# KiCad board Sofle_Pico.kicad_pcb (continued)
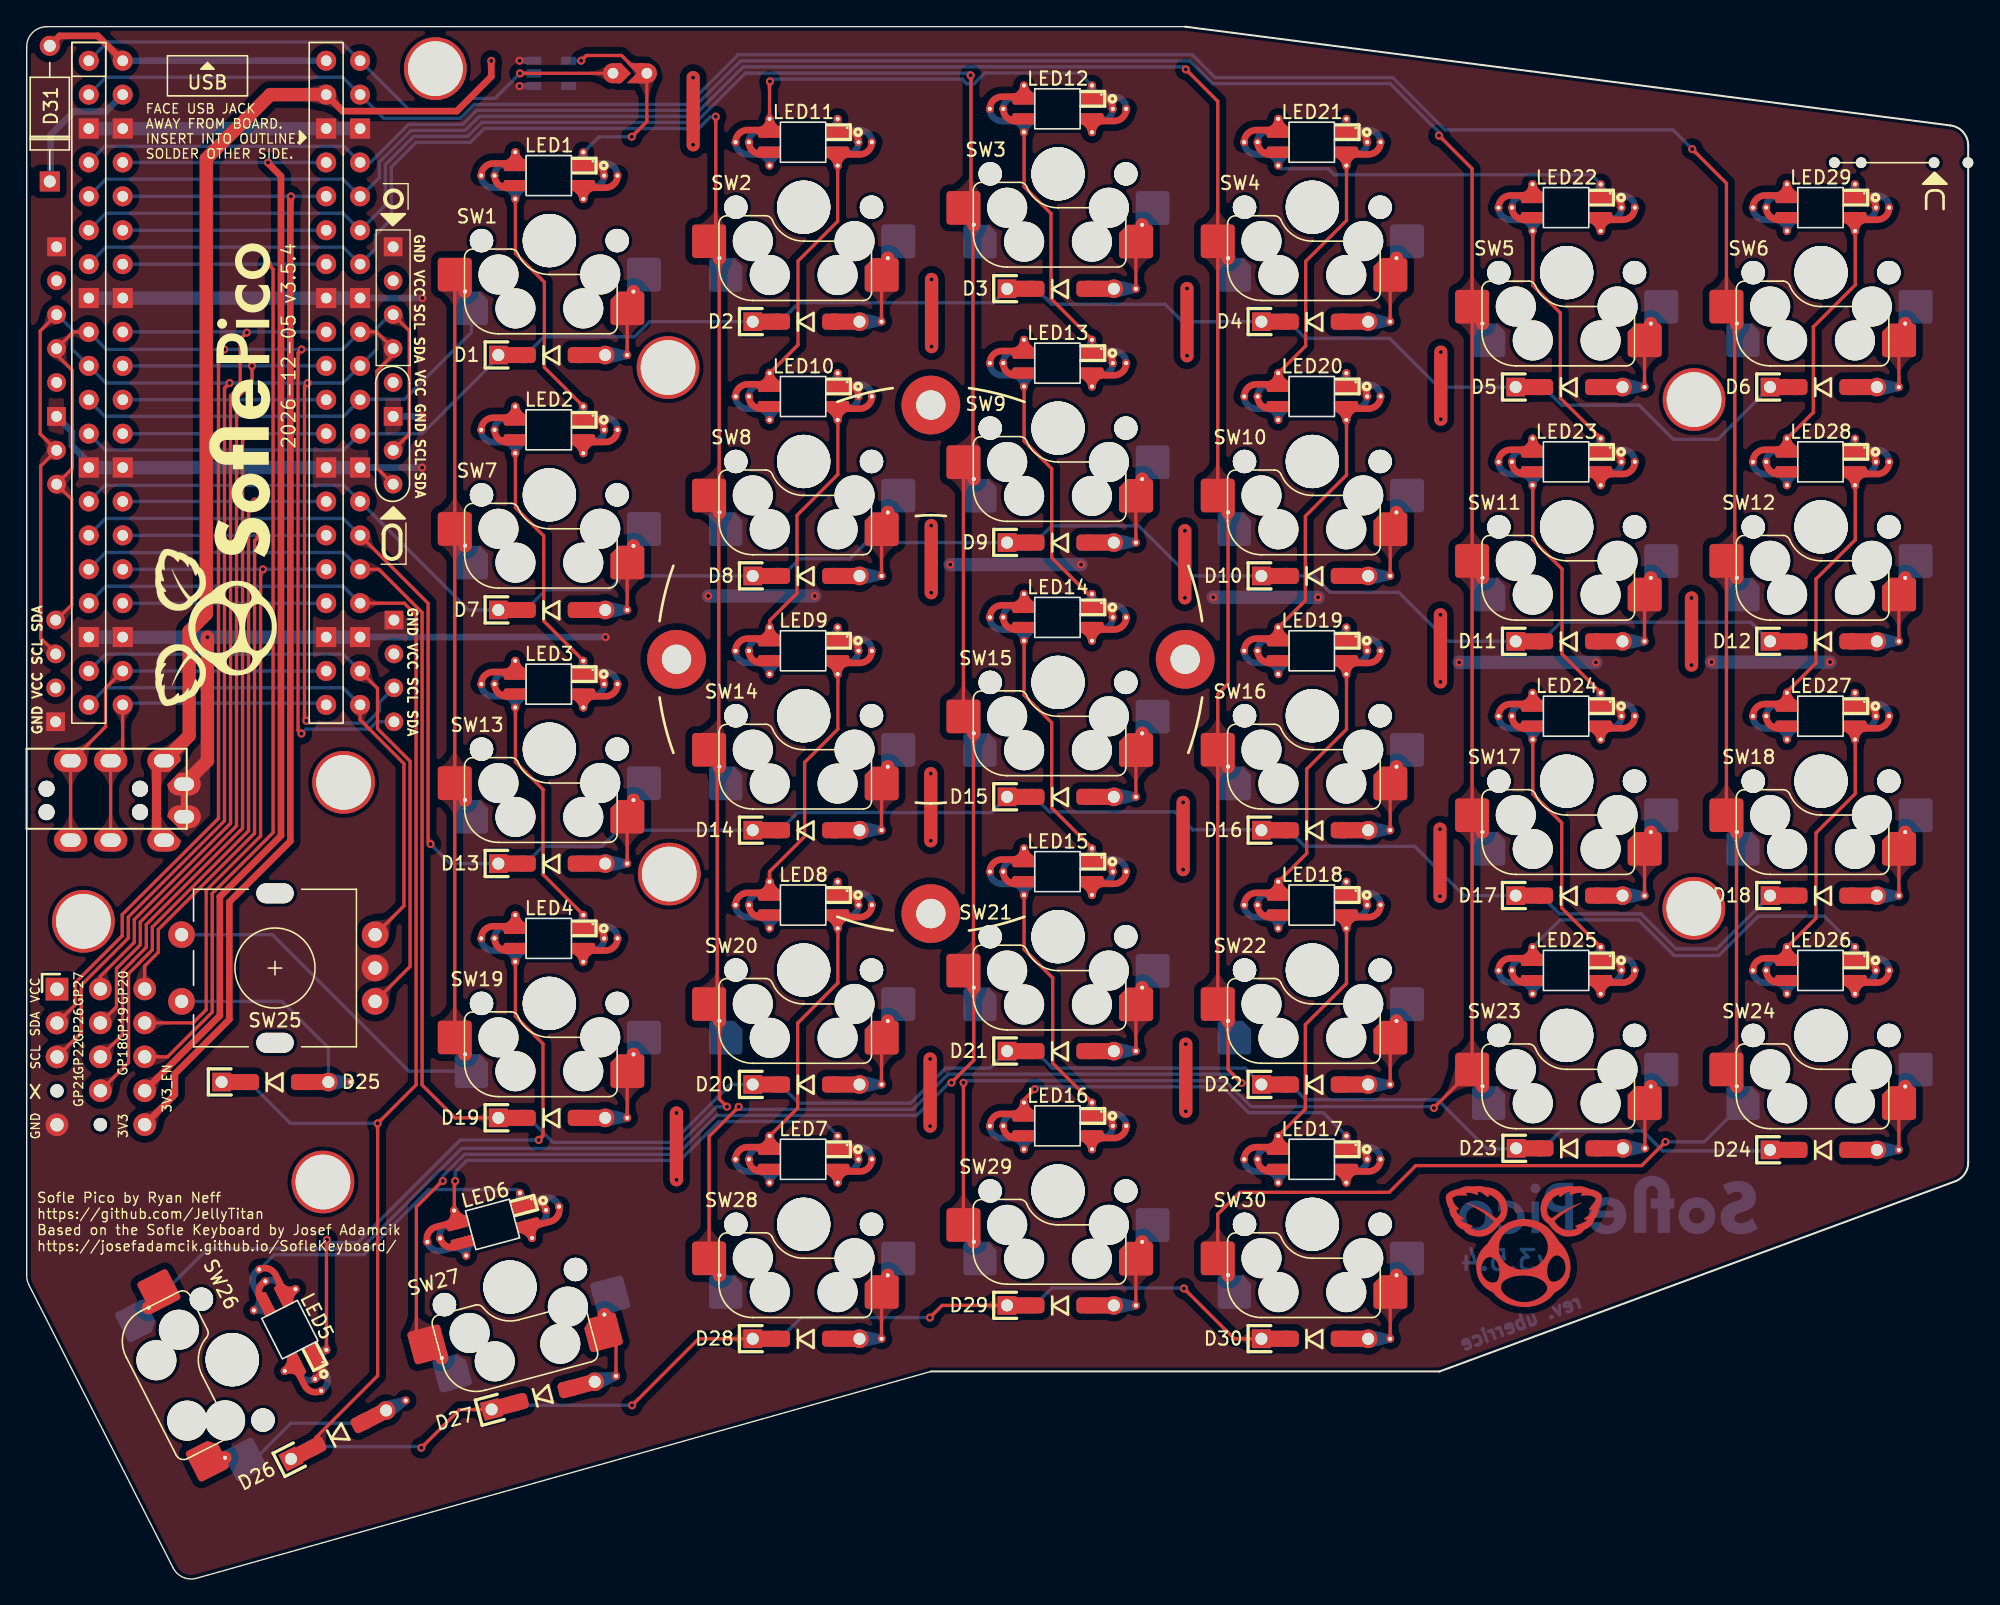
[diagram p0: board, top side]
## Footprints (pads in the part's own frame, mm; a bottom-side part is the same pattern mirrored in y, then rotated) (continued)
OLED SSD1306 128x64
  round 1.397 hole 0.813: 1(3.82,12.635) 1(3.82,-12.575) 1(13.98,12.635) 1(13.98,-12.575) 2(1.28,12.635) 2(1.28,-12.575) 2(11.44,12.635) 2(11.44,-12.575) 3(-1.26,12.635) 3(-1.26,-12.575) 3(6.36,12.635) 3(6.36,-12.575)
  rect 1.397x1.397 hole 0.813: 4(-3.8,12.635) 4(-3.8,-12.575) 4(8.9,12.635) 4(8.9,-12.575)
Pimaroni_PinHeader_1x05_P2.54mm_Vertical Sofle v3b
  round 1 hole 1 unplated: (0,-7.62)
  rect 1.7x1.7 hole 1: 1(0,0)
  oval 1.7x1.7 hole 1: 2(0,-2.54) 3(0,-5.08) 5(0,-10.16)
PinHeader_1x05_P2.54mm_Vertical
  round 1.7 hole 1: 1(0,0)
  oval 1.7x1.7 hole 1: 2(0,-2.54) 3(0,-5.08) 4(0,-7.62) 5(0,-10.16)
PinHeader_1x05_P2.54mm_Vertical_one-dead
  round 1 hole 1 unplated: (0,-10.16)
  round 1.7 hole 1: 1(0,0)
  oval 1.7x1.7 hole 1: 2(0,-2.54) 3(0,-5.08) 4(0,-7.62)
RotaryEncoder_Alps_EC11E-Switch_Vertical_H20mm-keebio_modified
  oval 2.8x1.5 hole 2.8x1.5 unplated: (0,5.6) (0,-5.6)
  round 2 hole 1: A(-7.5,2.5) B(-7.5,-2.5) C(-7.5,0) S1(7,-2.5) S2(7,2.5)
RPi_Pico_SMD_TH_DS
  round 1.5 hole 0.8: 1(-10.16,24.13) 1(10.16,24.13) 2(-10.16,21.59) 2(10.16,21.59) 4(-10.16,16.51) 4(10.16,16.51) 5(-10.16,13.97) 5(10.16,13.97) 6(-10.16,11.43) 6(10.16,11.43) 7(-10.16,8.89) 7(10.16,8.89) 9(-10.16,3.81) 9(10.16,3.81) 10(-10.16,1.27) 10(10.16,1.27) 11(-10.16,-1.27) 11(10.16,-1.27) 12(-10.16,-3.81) 12(10.16,-3.81) 14(-10.16,-8.89) 14(10.16,-8.89) 15(-10.16,-11.43) 15(10.16,-11.43) 16(-10.16,-13.97) 16(10.16,-13.97) 17(-10.16,-16.51) 17(10.16,-16.51) 19(-10.16,-21.59) 19(10.16,-21.59) 20(-10.16,-24.13) 20(10.16,-24.13) 21(-7.62,-24.13) 21(7.62,-24.13) 22(-7.62,-21.59) 22(7.62,-21.59) 24(-7.62,-16.51) 24(7.62,-16.51) 25(-7.62,-13.97) 25(7.62,-13.97) 26(-7.62,-11.43) 26(7.62,-11.43) 27(-7.62,-8.89) 27(7.62,-8.89) 29(-7.62,-3.81) 29(7.62,-3.81) 30(-7.62,-1.27) 30(7.62,-1.27) 31(-7.62,1.27) 31(7.62,1.27) 32(-7.62,3.81) 32(7.62,3.81) 34(-7.62,8.89) 34(7.62,8.89) 35(-7.62,11.43) 35(7.62,11.43) 36(-7.62,13.97) 36(7.62,13.97) 37(-7.62,16.51) 37(7.62,16.51) 39(-7.62,21.59) 39(7.62,21.59) 40(-7.62,24.13) 40(7.62,24.13)
  rect 1.5x1.5 hole 0.8: 3(-10.16,19.05) 3(10.16,19.05) 8(-10.16,6.35) 8(10.16,6.35) 13(-10.16,-6.35) 13(10.16,-6.35) 18(-10.16,-19.05) 18(10.16,-19.05) 23(-7.62,-19.05) 23(7.62,-19.05) 28(-7.62,-6.35) 28(7.62,-6.35) 33(-7.62,6.35) 33(7.62,6.35) 38(-7.62,19.05) 38(7.62,19.05)
SK6803_MINIE_v3.5.4
  custom 2.65x1.41 smd far side: 1(2.54,-0.75)
  rrect 1.7x0.82 smd far side: 1(2.54,-0.75) 2(2.54,0.75) 3(-2.56,0.75) 4(-2.56,-0.75)
  custom 2.65x1.41 smd: 1(2.54,0.75)
  rrect 1.7x0.82 smd: 1(2.54,0.75) 2(2.54,-0.75) 3(-2.56,-0.75) 4(-2.56,0.75)
  round 0.6 hole 0.3: 1(4.09,0) 2(2.54,-1.75) 2(2.54,1.75) 2(5.09,0) 3(-4.12,0) 4(-5.12,0) 4(-2.56,-1.75) 4(-2.56,1.75)
  custom 3.65x2.3 smd: 2(2.54,-0.75)
  custom 3.653x2.3 smd far side: 2(2.54,0.75)
  custom 2.66x1.41 smd: 3(-2.56,-0.75)
  custom 2.66x1.41 smd far side: 3(-2.56,0.75)
  custom 3.66x2.3 smd far side: 4(-2.56,-0.75)
  custom 3.671x2.3 smd: 4(-2.56,0.75)
SN74AHCT1G125
  rect 1.1x0.6 smd: 1(-1.3,0.95) 2(-1.3,0) 3(-1.3,-0.95) 4(1.3,-0.95) 5(1.3,0.95)
sofle diode jig
  round 0.8 hole 0.8 unplated: (-10,0) (-8,0) (-2.54,0) (0,0)
Tenting_Puck.kicad_mod_nocenter_v2
  round 4.4 hole 2.2: 1(-19.05,0) 1(0,19.05) 1(0,-19.05) 1(19.05,0)

## Nets
3V3: J6.5 U2.36
3V3_EN: J6.4 U2.37
GND: J1.5 J2.1 J3.4 J4.4 J7.4 LED1.3 LED2.3 LED3.3 LED4.3 LED5.3 LED6.3 LED7.3 LED8.3 LED9.3 LED10.3 LED11.3 LED12.3 LED13.3 LED14.3 LED15.3 LED16.3 LED17.3 LED18.3 LED19.3 LED20.3 LED21.3 LED22.3 LED23.3 LED24.3 LED25.3 LED26.3 LED27.3 LED28.3 LED29.3 SW25.C U1.1 U1.3 U2.3 U2.8 U2.13 U2.18 U2.23 U2.28 U2.33 U2.38
VCC: D31.1 J1.1 J2.2 J3.3 J4.3 J7.3 LED1.1 LED2.1 LED3.1 LED4.1 LED5.1 LED6.1 LED7.1 LED8.1 LED9.1 LED10.1 LED11.1 LED12.1 LED13.1 LED14.1 LED15.1 LED16.1 LED17.1 LED18.1 LED19.1 LED20.1 LED21.1 LED22.1 LED23.1 LED24.1 LED25.1 LED26.1 LED27.1 LED28.1 LED29.1 U1.5 U2.39
col0: SW6.1 SW12.1 SW18.1 SW24.1 SW30.1 U2.2
col1: SW5.1 SW11.1 SW17.1 SW23.1 SW29.1 U2.4
col2: SW4.1 SW10.1 SW16.1 SW22.1 SW28.1 U2.5
col3: SW3.1 SW9.1 SW15.1 SW21.1 SW27.1 U2.6
col4: SW2.1 SW8.1 SW14.1 SW20.1 SW26.1 U2.7
ENCA: SW25.A U2.19
ENCB: SW25.B U2.20
GP19: J6.2 U2.25
GP20: J6.1 U2.26
GP21: J5.4 U2.27
GP22: J5.3 U2.29
GP26: J5.2 U2.31
GP27: J5.1 U2.32
GP28: J6.3 U2.34
LED: JP1.1 U1.2 U2.1
row0: D1.1 D2.1 D3.1 D4.1 D5.1 D6.1 U2.12
row1: D7.1 D8.1 D9.1 D10.1 D11.1 D12.1 U2.14
row2: D13.1 D14.1 D15.1 D16.1 D17.1 D18.1 U2.15
row3: D19.1 D20.1 D21.1 D22.1 D23.1 D24.1 U2.16
row4: D25.1 D26.1 D27.1 D28.1 D29.1 D30.1 U2.17
RX: J2.4 U2.22
SCL: J1.3 J3.2 J4.2 J7.2 U2.10
SDA: J1.2 J3.1 J4.1 J7.1 U2.9
SW25A: SW1.1 SW7.1 SW13.1 SW19.1 SW25.S1 U2.11
SW25B: D25.2 SW25.S2
TX: J2.3 U2.21
Net-(D1-A): D1.2 SW1.2
Net-(D2-A): D2.2 SW2.2
Net-(D3-A): D3.2 SW3.2
Net-(D4-A): D4.2 SW4.2
Net-(D5-A): D5.2 SW5.2
Net-(D6-A): D6.2 SW6.2
Net-(D7-A): D7.2 SW7.2
Net-(D8-A): D8.2 SW8.2
Net-(D9-A): D9.2 SW9.2
Net-(D10-A): D10.2 SW10.2
Net-(D11-A): D11.2 SW11.2
Net-(D12-A): D12.2 SW12.2
Net-(D13-A): D13.2 SW13.2
Net-(D14-A): D14.2 SW14.2
Net-(D15-A): D15.2 SW15.2
Net-(D16-A): D16.2 SW16.2
Net-(D17-A): D17.2 SW17.2
Net-(D18-A): D18.2 SW18.2
Net-(D19-A): D19.2 SW19.2
Net-(D20-A): D20.2 SW20.2
Net-(D21-A): D21.2 SW21.2
Net-(D22-A): D22.2 SW22.2
Net-(D23-A): D23.2 SW23.2
Net-(D24-A): D24.2 SW24.2
Net-(D26-A): D26.2 SW26.2
Net-(D27-A): D27.2 SW27.2
Net-(D28-A): D28.2 SW28.2
Net-(D29-A): D29.2 SW29.2
Net-(D30-A): D30.2 SW30.2
Net-(D31-A): D31.2 U2.40
Net-(JP1-B): JP1.2 LED1.4 U1.4
Net-(LED1-DOUT): LED1.2 LED2.4
Net-(LED2-DOUT): LED2.2 LED3.4
Net-(LED3-DOUT): LED3.2 LED4.4
Net-(LED4-DOUT): LED4.2 LED5.4
Net-(LED5-DOUT): LED5.2 LED6.4
Net-(LED6-DOUT): LED6.2 LED7.4
Net-(LED7-DOUT): LED7.2 LED8.4
Net-(LED8-DOUT): LED8.2 LED9.4
Net-(LED10-DIN): LED9.2 LED10.4
Net-(LED10-DOUT): LED10.2 LED11.4
Net-(LED11-DOUT): LED11.2 LED12.4
Net-(LED12-DOUT): LED12.2 LED13.4
Net-(LED13-DOUT): LED13.2 LED14.4
Net-(LED14-DOUT): LED14.2 LED15.4
Net-(LED15-DOUT): LED15.2 LED16.4
Net-(LED16-DOUT): LED16.2 LED17.4
Net-(LED17-DOUT): LED17.2 LED18.4
Net-(LED18-DOUT): LED18.2 LED19.4
Net-(LED19-DOUT): LED19.2 LED20.4
Net-(LED20-DOUT): LED20.2 LED21.4
Net-(LED21-DOUT): LED21.2 LED22.4
Net-(LED22-DOUT): LED22.2 LED23.4
Net-(LED23-DOUT): LED23.2 LED24.4
Net-(LED24-DOUT): LED24.2 LED25.4
Net-(LED25-DOUT): LED25.2 LED26.4
Net-(LED26-DOUT): LED26.2 LED27.4
Net-(LED27-DOUT): LED27.2 LED28.4
Net-(LED28-DOUT): LED28.2 LED29.4

Pads without a net: LED29 2; REF**#2 1; U2 24 30 35

## Via types
v1: diameter 0.6, hole 0.3, Top to Bottom, 88 vias

## Routing (per net, layer and track width the routed paths; a pad name or vN(x,y) marks a point on that pad's centre or on a via; arc(x,y) is an arc through that point)
3V3: length 89.3
  Top w0.5: v1(19.8,103.53) 19.75,103.48 19.75,55.24 15.18,50.67 15.18,41.88 11.1,37.8 11.1,36.25 J6.5
  Bottom w0.25: U2.36 19.79,103.54 v1(19.8,103.53) 19.8,103.54 U2.36
3V3_EN: length 89.4
  Top w0.5: v1(18.08,106.07) 18.08,106.02 19.05,105.05 19.05,55.65 14.47,51.07 14.47,42.16 J6.4
  Bottom w0.25: U2.37 18.07,106.08 v1(18.08,106.07) 18.08,106.08 U2.37
GND: length 176.7
  Top w0.5: J2.1 J2.1
  Top w1: v1(13.54,70.51) 13.54,61.25 J2.1
  Bottom w0.5: J3.4 v1(29.64,87.05) ; 4.65,83.58 3.39,84.85 3.39,85.9 J3.4 ; U1.1 v1(36.92,111.8) ; U2.13 v1(29.62,83.22) ; U1.3 v1(36.92,113.7) ; U2.8 v1(29.64,95.92) ; v1(43.36,70.52) U2.18
  Bottom w1: U2.8 U2.33 U2.33 U2.8 ; 22.42,70.51 v1(13.54,70.51) 7.2,70.51 ; 88.87,73.5 v1(96.72,73.5) ; U2.13 U2.28 U2.28 U2.13 ; v1(107.3,68.62) 107.32,68.62 v1(117.53,68.62) ; U2.3 U2.38 U2.38 U2.3 ; U2.18 U2.23 ; U2.23 U2.18 ; 69.17,75.95 v1(78.97,75.95) ; v1(126.2,68.65) v1(135.07,68.65) ; v1(51.05,73.6) v1(59.02,73.6)
  vias: v1(69.17,75.95) v1(88.87,73.5)
VCC: length 159.5
  Top w0.5: v1(34.8,113.69) 34.8,112.51 32.21,109.92 23.67,109.92 U2.39
  Top w0.6: J2.2 9.73,55.86 ; 9.73,60.69 J2.2
  Top w0.7: 9.73,55.86 9.73,60.69
  Top w1: v1(86.91,91.6) v1(86.91,96.63) ; v1(48.67,29.86) v1(48.67,34.86) ; v1(67.72,55.26) v1(67.72,60.29) ; v1(86.62,53.1) v1(86.62,58.13) ; v1(105.92,86.84) v1(105.92,91.87) ; U2.39 18.24,111.16 13.45,106.36 13.45,72.24 12.17,70.96 12.17,63.13 J2.2 ; v1(124.7,68.42) v1(124.7,73.45) ; v1(67.67,33.88) v1(67.67,38.91) ; v1(49.92,107.4) v1(49.92,112.43) ; v1(105.89,67.16) v1(105.89,72.19) ; v1(67.75,73.84) v1(67.75,78.87) ; v1(105.86,51.1) v1(105.86,56.13) ; v1(86.75,73.46) v1(86.75,78.49) ; v1(86.82,34.99) v1(86.82,40.02) ; v1(67.78,92.28) v1(67.78,97.31)
  Bottom w0.5: D31.1 1.8,104.72 1.8,108.16 3.52,109.89 5.92,109.89 U2.39
col0: length 240.6
  Top w0.25: 127.94,75.11 127.94,93.86 ; SW12.1 SW18.1 ; 89.21,23.97 89.21,27.28 90.85,28.92 102.05,28.92 104.05,30.92 120.96,30.92 v1(122.74,32.7) ; SW6.1 127.31,104.51 v1(124.75,107.08) ; 128.07,38.88 128.07,55.89
  Bottom w0.25: SW24.1 125.65,32.7 v1(122.74,32.7) ; v1(124.75,107.08) 123.31,108.52 106.24,108.52 102.33,112.43 89.02,112.43 87.29,114.16 53.3,114.16 49.56,110.42 33.53,110.42 32.48,109.38 26.75,109.38 U2.2 23.67,112.45 5.94,112.45 U2.2
col1: length 229.6
  Top w0.25: SW29.1 70.16,37.13 v1(70.17,37.13) ; v1(105.78,108.09) 108.26,105.61 SW5.1 SW11.1 SW17.1 SW23.1 105.4,35.26 v1(105.4,35.24)
  Bottom w0.25: U2.4 23.76,107.28 5.85,107.28 U2.4 ; v1(70.17,37.13) 70.31,37.27 89.77,37.27 91.7,35.34 105.3,35.34 v1(105.4,35.24) ; v1(105.78,108.09) 105.78,108.34 102.14,111.98 88.83,111.98 87.13,113.68 53.46,113.68 49.75,109.97 33.71,109.97 32.67,108.93 28.61,108.93 25.79,106.11 24.97,106.11
col2: length 215.4
  Top w0.25: v1(91,37.11) 89.99,38.12 SW22.1 ; 51.11,23.11 51.11,33.11 v1(53.33,35.32) ; SW10.1 89.99,67.03 89.21,66.25 89.21,43.02 ; 89.21,81.12 89.21,110.65 v1(86.82,113.05)
  Bottom w0.25: v1(53.33,35.32) 53.52,35.13 66.33,35.13 66.35,35.15 66.39,35.15 69.02,37.77 90.33,37.77 v1(91,37.11) ; U2.5 5.94,104.83 23.67,104.83 U2.5 ; 25.03,103.54 26.41,104.92 26.41,106.09 28.79,108.48 32.85,108.48 33.9,109.52 49.94,109.52 53.65,113.23 86.64,113.23 v1(86.82,113.05)
col3: length 197
  Top w0.25: SW21.1 70.94,38.81 v1(69.26,37.13) ; 29.19,18.36 29.19,27.83 31.13,29.77 v1(31.17,29.77) ; 70.88,84.34 70.88,101.35 ; 70.92,63.29 70.92,46.28 ; 70.73,103.24 70.73,112.58 v1(70.7,112.61) ; SW15.1 SW9.1
  Bottom w0.25: U2.6 23.69,102.27 5.92,102.27 U2.6 ; 25.51,101.51 26.86,102.86 26.86,105.9 28.98,108.03 33.04,108.03 34.09,109.07 50.13,109.07 53.83,112.77 70.54,112.77 v1(70.7,112.61) ; v1(69.26,37.13) 69.1,37.13 66.65,34.68 51.66,34.68 48.74,31.76 32.78,31.76 31.17,30.15 v1(31.17,29.77)
col4: length 177.3
  Top w0.25: SW20.1 51.89,35.89 v1(52.45,35.33) ; 51.84,62.8 51.84,80.4 ; 51.61,99.9 v1(51.61,109.51) ; SW2.1 51.89,99.62 ; 51.72,41.93 51.72,60.64 ; 51.87,79.88 51.87,98.89
  Bottom w0.25: U2.7 5.92,99.73 23.69,99.73 U2.7 26.12,99.6 26.12,100.62 27.31,101.81 27.31,105.72 29.17,107.58 33.23,107.58 34.27,108.62 50.33,108.62 51.22,109.51 v1(51.61,109.51) ; SW26.1 13.56,24.7 25.06,24.7 32.57,32.21 48.55,32.21 51.68,35.33 v1(52.45,35.33)
ENCA: length 48.8
  Top w0.25: SW25.A 28.72,45.84 28.72,61.21 26.28,63.65 26.28,66.67 U2.19
  Bottom w0.25: U2.19 23.7,69.24 5.91,69.24 U2.19
ENCB: length 40.9
  Top w0.25: U2.20 24.97,64.32 28.26,61.03 28.26,50.38 SW25.B
  Bottom w0.25: U2.20 23.69,66.72 5.93,66.72 U2.20
GP19: length 55
  Top w0.25: J6.2 12.46,41.61 13.44,42.6 13.44,51.53 17.52,55.61 17.52,75.42 v1(17.7,75.6)
  Bottom w0.25: U2.25 U2.25
GP20: length 52.8
  Top w0.25: J6.1 8.84,45.88 9.86,46.9 9.86,48.61 17.07,55.82 17.07,75.6 17.07,75.61 17.07,77.74 v1(17.47,78.14)
  Bottom w0.25: U2.26 U2.26
GP21: length 64.2
  Top w0.25: v1(17.09,80.68) 16.62,80.21 16.62,56 9.41,48.79 9.41,47.08 8.39,46.06 8.39,46.06 7.63,45.3 7.63,38.64 J5.4
  Bottom w0.25: U2.27 v1(17.09,80.68) U2.27
GP22: length 66.5
  Top w0.25: v1(16.67,85.76) 16.17,85.26 16.17,56.19 8.96,48.98 8.96,47.27 7.94,46.25 7.94,46.24 7.18,45.48 7.18,40.73 J5.3
  Bottom w0.25: U2.29 U2.29
GP26: length 69.2
  Top w0.25: J5.2 6.73,42.82 6.73,45.68 8.51,47.46 8.51,49.17 15.72,56.38 15.72,88.41 16.88,89.57 v1(16.88,90.84)
  Bottom w0.25: U2.31 U2.31
GP27: length 69
  Top w0.25: J5.1 5.52,45.1 8.06,47.64 8.06,49.35 15.27,56.56 15.27,88.6 15.99,89.32 15.99,92.83 v1(16.49,93.33)
  Bottom w0.25: U2.32 16.44,93.38 v1(16.49,93.33) 16.53,93.38 U2.32
GP28: length 79.8
  Top w0.25: v1(18.08,98.46) 18.46,98.08 18.46,55.87 13.89,51.31 13.89,42.41 10.55,39.07 J6.3
  Bottom w0.25: U2.34 U2.34
LED: length 44.3
  Top w0.25: 36.96,112.76 JP1.1
  Bottom w0.25: U2.1 6.05,115.1 23.56,115.1 U2.1 28.84,109.83 32.29,109.83 33.34,110.87 35.07,110.87 v1(36.95,112.75) U1.2
row0: length 128.9
  Bottom w0.25: 113.62,89.25 114.97,87.9 120.77,87.9 123.33,85.34 126.67,85.34 D6.1 ; D1.1 38.75,93.02 45.53,93.02 46.65,94.15 D2.1 ; D5.1 105.74,89.25 102.08,92.9 95.77,92.9 D4.1 ; D3.1 75.61,96.61 76.77,95.45 85.26,95.45 86.57,94.15 D4.1 ; 35.33,91.46 29.62,85.76 U2.12 23.74,84.53 5.87,84.53 U2.12 ; D3.1 72.38,95.56 57.84,95.56 D2.1 ; D5.1 D5.1
row1: length 128.1
  Bottom w0.25: D12.1 129.14,71.63 114.91,71.63 113.47,70.2 ; U2.14 5.85,81.88 23.76,81.88 U2.14 33.1,72.55 D7.1 ; D10.1 96.4,75.1 97.62,73.87 102.77,73.87 106.45,70.2 D11.1 ; D10.1 86.97,75.1 86.97,75.17 83.3,78.85 76.77,78.85 75.52,77.6 D9.1 ; D9.1 62.86,77.6 61.65,76.38 57.89,76.38 56.6,75.1 ; D8.1 44.65,75.1 43.62,74.07 38.9,74.07 D7.1 D7.1
row2: length 148.7
  Top w0.25: U2.15 30.07,73.04 30.07,55.19 v1(30.25,55.01)
  Bottom w0.25: U2.15 23.7,79.4 5.91,79.4 U2.15 ; D14.1 57.75,57.37 72.25,57.37 D15.1 ; v1(30.25,55.01) 31.71,53.55 D13.1 ; D16.1 95.73,54.84 103.96,54.84 107.66,51.15 D17.1 ; 113.58,51 114.8,49.78 120.91,49.78 123.53,47.16 126.59,47.16 D18.1 ; D15.1 76.6,57.42 85.99,57.42 87.33,56.08 92.48,56.08 ; 35.69,53.55 D13.1 38.67,54.84 43.09,54.84 44.29,56.05 D14.1
row3: length 161.9
  Top w0.25: U2.16 26.37,75.6 29.62,72.35 29.62,36.96 32.08,34.5 D19.1
  Bottom w0.25: 75.78,39.26 76.82,38.22 91.25,38.22 D22.1 ; U2.16 23.72,76.85 5.9,76.85 U2.16 ; 94.95,36.7 95.79,35.86 105.69,35.86 109.38,32.17 111.51,32.17 ; D23.1 114.92,33.52 121.04,33.52 122.54,32.02 130.5,32.02 D24.1 ; D21.1 72.15,38.22 68.83,38.22 66.21,35.6 57.82,35.6 D20.1 ; 37.84,34.25 39.43,32.66 48.37,32.66 52.7,37 D20.1
row4: length 173
  Top w0.25: v1(67.65,19.53) 68.56,20.45 D29.1 ; U2.17 28.28,73.06 29.17,72.16 29.17,36.97 v1(26.29,34.09) 26.29,15.18 21.66,10.55 D26.1 ; v1(45.34,12.96) 50.32,17.95 D28.1 ; D27.1 33.58,12.65 33.57,12.64 32.42,12.64 v1(29.56,9.78) ; v1(86.68,21.72) 90.45,17.95 D30.1
  Bottom w0.25: v1(45.34,12.96) 37.54,12.96 37.31,13.18 ; v1(26.29,34.09) 19.74,34.09 D25.1 ; v1(67.65,19.53) 58.01,19.53 D28.1 ; v1(86.68,21.72) 86.65,21.75 76.78,21.75 D29.1 ; D26.1 29.46,9.87 v1(29.56,9.78) ; U2.17 23.7,74.32 5.91,74.32 U2.17
RX: length 29.5
  Top w0.25: U2.22 5.91,66.69 5.91,63.8 3.36,61.25 ; J2.4 J2.4
  Bottom w0.25: U2.22 U2.22
SCL: length 158.6
  Top w0.25: v1(21.05,89.55) 20.81,89.31 20.81,64.39 v1(20.95,64.25) ; J3.2 28.66,93.46 28.66,85.72 J3.2 ; v1(15.2,89.55) 14.82,89.17 14.82,56.75 7.61,49.54 7.61,47.96 4.09,44.44 4.09,40.88 J1.3 ; J3.2 1.01,93.44 1.01,85.74 J3.2 1.05,83.32 1.05,70.43 2.23,69.25
  Bottom w0.25: U2.10 23.68,89.55 v1(21.05,89.55) 5.93,89.55 U2.10 3.4,92.09 3.4,93.56 2.29,94.67 ; J4.2 26.43,65.63 26.43,65.02 25.48,64.07 21.12,64.07 v1(20.95,64.25) ; 27.23,94.67 26.22,93.66 26.22,92.08 25.24,91.1
SDA: length 151.9
  Top w0.25: J3.1 26.22,83.2 26.22,90.44 27.44,91.66 ; J1.2 3.64,42.97 3.64,44.62 7.16,48.14 7.16,49.73 14.37,56.94 14.37,91.64 v1(14.8,92.07) ; J3.1 3.37,80.83 3.37,72.94 2.23,71.79 ; J3.1 2.17,81.9 ; J3.1 2.23,81.96 ; J3.1 3.42,83.15 3.42,90.5 2.23,91.68 ; v1(20.58,63.28) 20.32,63.54 20.32,91.8 v1(20.59,92.07) ; J3.1 26.2,93.38 U2.9 ; J3.1 3.48,93.38 U2.9
  Bottom w0.25: v1(20.58,63.28) 20.92,63.62 25.67,63.62 26.22,64.17 J4.1 ; U2.9 5.96,92.07 v1(14.8,92.07) v1(20.59,92.07) 23.66,92.07 U2.9
SW25A: length 117.3
  Top w0.25: SW1.1 SW7.1 SW13.1 SW19.1
  Bottom w0.25: SW19.1 28.61,38 18.39,48.22 SW25.S1 ; 33.3,95.94 SW1.1 ; U2.11 23.73,87.06 5.84,87.06 4.65,88.25 ; 25.01,88.34 28.31,88.34 33.3,93.34 SW1.1
SW25B: length 15
  Bottom w0.25: D25.2 22.6,39.74 19.12,43.22 SW25.S2
TX: length 25.5
  Top w0.25: U2.21 7.19,62.15 J2.3 J2.3
  Bottom w0.25: 22.29,65.57 7.32,65.57
Net-(D1-A): length 3.5
  Top w0.25: D1.2 44.98,95.14
Net-(D2-A): length 3.5
  Top w0.25: D2.2 64.03,97.64
Net-(D3-A): length 3.5
  Top w0.25: D3.2 83.08,100.14
Net-(D4-A): length 3.5
  Top w0.25: D4.2 102.13,97.64
Net-(D5-A): length 3.5
  Top w0.25: D5.2 121.18,92.74
Net-(D6-A): length 3.5
  Top w0.25: D6.2 140.23,92.74
Net-(D7-A): length 3.5
  Top w0.25: D7.2 44.98,76.09
Net-(D8-A): length 3.5
  Top w0.25: D8.2 64.03,78.59
Net-(D9-A): length 3.5
  Top w0.25: D9.2 83.08,81.09
Net-(D10-A): length 3.5
  Top w0.25: D10.2 102.13,78.59
Net-(D11-A): length 3.5
  Top w0.25: D11.2 121.18,73.69
Net-(D12-A): length 3.5
  Top w0.25: D12.2 140.23,73.69
Net-(D13-A): length 3.5
  Top w0.25: D13.2 44.98,57.04
Net-(D14-A): length 3.5
  Top w0.25: D14.2 64.03,59.54
Net-(D15-A): length 3.5
  Top w0.25: D15.2 83.08,62.04
Net-(D16-A): length 3.5
  Top w0.25: D16.2 102.13,59.54
Net-(D17-A): length 3.5
  Top w0.25: D17.2 121.18,54.64
Net-(D18-A): length 3.5
  Top w0.25: D18.2 140.23,54.64
Net-(D19-A): length 3.5
  Top w0.25: D19.2 44.98,37.99
Net-(D20-A): length 3.5
  Top w0.25: D20.2 64.03,40.49
Net-(D21-A): length 3.5
  Top w0.25: D21.2 83.08,42.99
Net-(D22-A): length 3.5
  Top w0.25: D22.2 102.13,40.49
Net-(D23-A): length 3.4
  Top w0.25: D23.2 121.21,35.58
Net-(D24-A): length 3.5
  Top w0.25: D24.2 140.23,35.59
Net-(D26-A): length 9.1
  Bottom w0.25: D26.2 19.79,11.62 17.08,8.91
Net-(D27-A): length 3.7
  Top w0.25: D27.2 44.14,17.45 SW27.2
Net-(D28-A): length 3.5
  Top w0.25: D28.2 64.03,21.44
Net-(D29-A): length 3.5
  Top w0.25: D29.2 83.08,23.94
Net-(D30-A): length 3.5
  Top w0.25: D30.2 102.13,21.44
Net-(D31-A): length 21.8
  Top w0.5: U2.40 5.32,115.56 2.48,115.56 D31.2
  Bottom w0.5: U2.40 U2.40
Net-(JP1-B): length 15.3
  Top w0.25: v1(41.53,113.7) 41.92,114.09 44.55,114.09 45.89,112.76 ; v1(45.32,108) 46.45,109.13 JP1.2
  Bottom w0.25: v1(45.32,108) 42.86,108 41.71,106.84 ; U1.4 v1(41.53,113.7)
Net-(LED1-DOUT): length 17.7
  Top w0.25: 36.61,103.33 36.61,99.27 38.77,97.1 38.77,90.73 41.71,87.79
Net-(LED2-DOUT): length 17.7
  Top w0.25: 41.71,68.74 38.72,71.73 38.72,78.1 36.61,80.21 36.61,84.29
Net-(LED3-DOUT): length 17.7
  Top w0.25: 41.71,49.69 38.67,52.73 38.67,59.1 36.61,61.16 36.61,65.24
Net-(LED4-DOUT): length 41.7
  Top w0.25: 22.45,17.1 22.45,25.32 v1(22.49,25.36) ; 36.61,46.18 36.61,42.11 38.67,40.04 38.67,33.16 v1(38.35,32.84)
  Bottom w0.25: v1(38.35,32.84) 32.48,32.84 24.79,25.15 22.7,25.15 v1(22.49,25.36)
Net-(LED5-DOUT): length 22.4
  Bottom w0.25: 17.25,22.95 18.54,24.25 25.25,24.25 30.13,29.13 36.71,29.13 36.96,28.88
Net-(LED6-DOUT): length 33.6
  Top w0.25: v1(32.09,29.77) 32.03,29.7 32.03,27.56
  Bottom w0.25: v1(32.09,29.77) 32.09,30.43 32.97,31.31 48.93,31.31 51.85,34.23 59.67,34.23 60.76,33.14
Net-(LED7-DOUT): length 17.7
  Top w0.25: 55.66,33.14 57.75,35.23 57.75,41.6 60.76,44.61 60.76,48.69
Net-(LED8-DOUT): length 17.7
  Top w0.25: 60.76,67.74 60.76,63.62 58.27,61.13 58.27,55.57 55.66,52.96 55.66,52.19
Net-(LED10-DIN): length 17.7
  Top w0.25: 60.76,86.79 60.76,82.7 57.7,79.64 57.7,73.8 55.66,71.76 55.66,71.24
Net-(LED10-DOUT): length 17.7
  Top w0.25: 55.66,90.29 57.77,92.41 57.77,98.7 60.74,101.67 LED11.4
Net-(LED11-DOUT): length 27.9
  Top w0.25: v1(55.67,112.15) 55.64,112.12 LED11.2
  Bottom w0.25: v1(55.67,112.15) 55.84,112.32 70.06,112.32 70.41,111.97 70.96,111.97 71.76,112.78 78.85,112.78 79.78,111.84
Net-(LED12-DOUT): length 17.7
  Top w0.25: 79.81,92.79 76.72,95.88 76.72,102.25 74.71,104.26 74.71,108.33
Net-(LED13-DOUT): length 17.8
  Top w0.25: 74.71,89.28 74.71,85.2 76.77,83.14 76.77,76.47 79.5,73.74 79.81,73.74
Net-(LED14-DOUT): length 17.7
  Top w0.25: 79.81,54.69 76.77,57.73 76.77,64.1 74.71,66.16 74.71,70.23
Net-(LED15-DOUT): length 17.7
  Top w0.25: 79.81,35.64 76.85,38.6 76.85,44.97 74.71,47.11 74.71,51.18
Net-(LED16-DOUT): length 28.5
  Top w0.25: v1(75.5,36.65) 74.71,35.86 74.71,34.64
  Bottom w0.25: 98.86,33.14 97.11,34.89 91.51,34.89 89.59,36.82 75.67,36.82 v1(75.5,36.65) ; 98.86,33.39 98.86,32.14
Net-(LED17-DOUT): length 17.7
  Top w0.25: 93.76,33.14 95.77,35.16 95.77,41.49 98.86,44.57 98.86,48.69
Net-(LED18-DOUT): length 17.7
  Top w0.25: 93.76,52.19 95.87,54.31 95.87,60.63 98.86,63.61 98.86,67.74
Net-(LED19-DOUT): length 17.7
  Top w0.25: 93.76,71.24 95.77,73.26 95.77,79.58 98.86,82.66 98.86,86.79
Net-(LED20-DOUT): length 17.7
  Top w0.25: 93.76,90.29 95.8,92.33 95.8,98.67 98.86,101.73 98.86,105.84
Net-(LED21-DOUT): length 24.7
  Bottom w0.25: 117.91,104.44 117.2,105.15 97.95,105.15 97.5,105.6 93.99,105.6 93.76,105.83
Net-(LED22-DOUT): length 17.7
  Top w0.25: 112.81,100.93 112.81,96.86 114.87,94.8 114.87,88.43 117.91,85.39
Net-(LED23-DOUT): length 17.7
  Top w0.25: 112.81,81.88 112.81,77.8 115,75.61 115,69.25 117.91,66.34
Net-(LED24-DOUT): length 17.7
  Top w0.25: 112.81,62.83 112.81,58.76 114.97,56.6 114.97,50.23 117.91,47.29
Net-(LED25-DOUT): length 28.3
  Bottom w0.25: 112.81,47.29 114.84,49.33 120.73,49.33 123.41,46.65 126.73,46.65 129.69,49.61 134.64,49.61 136.96,47.29
Net-(LED26-DOUT): length 17.7
  Top w0.25: 131.86,47.29 134.02,49.46 134.02,55.85 136.96,58.78 136.96,62.84
Net-(LED27-DOUT): length 17.7
  Top w0.25: 131.86,66.34 131.86,66.41 134.02,68.57 134.02,74.87 136.96,77.8 136.96,81.89
Net-(LED28-DOUT): length 17.7
  Top w0.25: 131.86,85.39 133.82,87.36 133.82,93.76 136.96,96.89 136.96,100.94
unconnected-(U2-ADC_VREF-Pad35): length 15.2
  Bottom w0.25: U2.35 U2.35
unconnected-(U2-GPIO18-Pad24): length 15.2
  Bottom w0.25: U2.24 U2.24
unconnected-(U2-RUN-Pad30): length 15.2
  Bottom w0.25: U2.30 U2.30

## Copper pours and planes (outline as drawn; the poured copper is in the pictures)
GND on Top: -0.52,22.22 11.47,-1.17 14.57,0.01 67.91,15.05 105.91,15.26 145.55,30.11 146.34,108.57 90.3,115.92 -0.57,116.73 -0.48,29.47
VCC on Bottom: -0.4,22.04 11.37,-0.97 67.91,15.03 105.85,15.03 145.68,29.92 144.93,108.61 89.59,116.09 -0.66,116.67 -0.48,29.81

Small or netless copper shapes (teardrops, artwork), in the pictures only: 263 on Top, 256 on Bottom

## Text on the board
Bottom: rev. uberrice | ${REVISION}
B.Silkscreen: GP21 | 3V3_EN | GP27 | GP22 | GP26 | GP20 | GP19 | GP18 | 3V3 | FACE USB JACK / AWAY FROM BOARD. / INSERT INTO OUTLINE. / SOLDER OTHER SIDE. | Sofle Pico by Ryan Neff / https://github.com/JellyTitan / Based on the Sofle Keyboard by Josef Adamcik / https://josefadamcik.github.io/SofleKeyboard/ | ${CURRENT_DATE} ${REVISION} | JLCJLCJLCJLC
User.Eco1: s26 | s27 | s1 | s7 | s13 | s19 | s2 | s14 | s20 | s28 | s8 | s21 | s3 | s15 | s9 | s29 | s16 | s22 | s30 | s4 | s10 | s11 | s5 | s17 | s23 | s12 | s6 | s18 | s24
F.Silkscreen: GP27 | GP26 | GP22 | GP21 | GP18 | 3V3 | GP20 | GP19 | 3V3_EN | FACE USB JACK / AWAY FROM BOARD. / INSERT INTO OUTLINE. / SOLDER OTHER SIDE. | Sofle Pico by Ryan Neff / https://github.com/JellyTitan / Based on the Sofle Keyboard by Josef Adamcik / https://josefadamcik.github.io/SofleKeyboard/ | ${CURRENT_DATE} ${REVISION}
